# Allegro board 9823-layout.brd (continued)
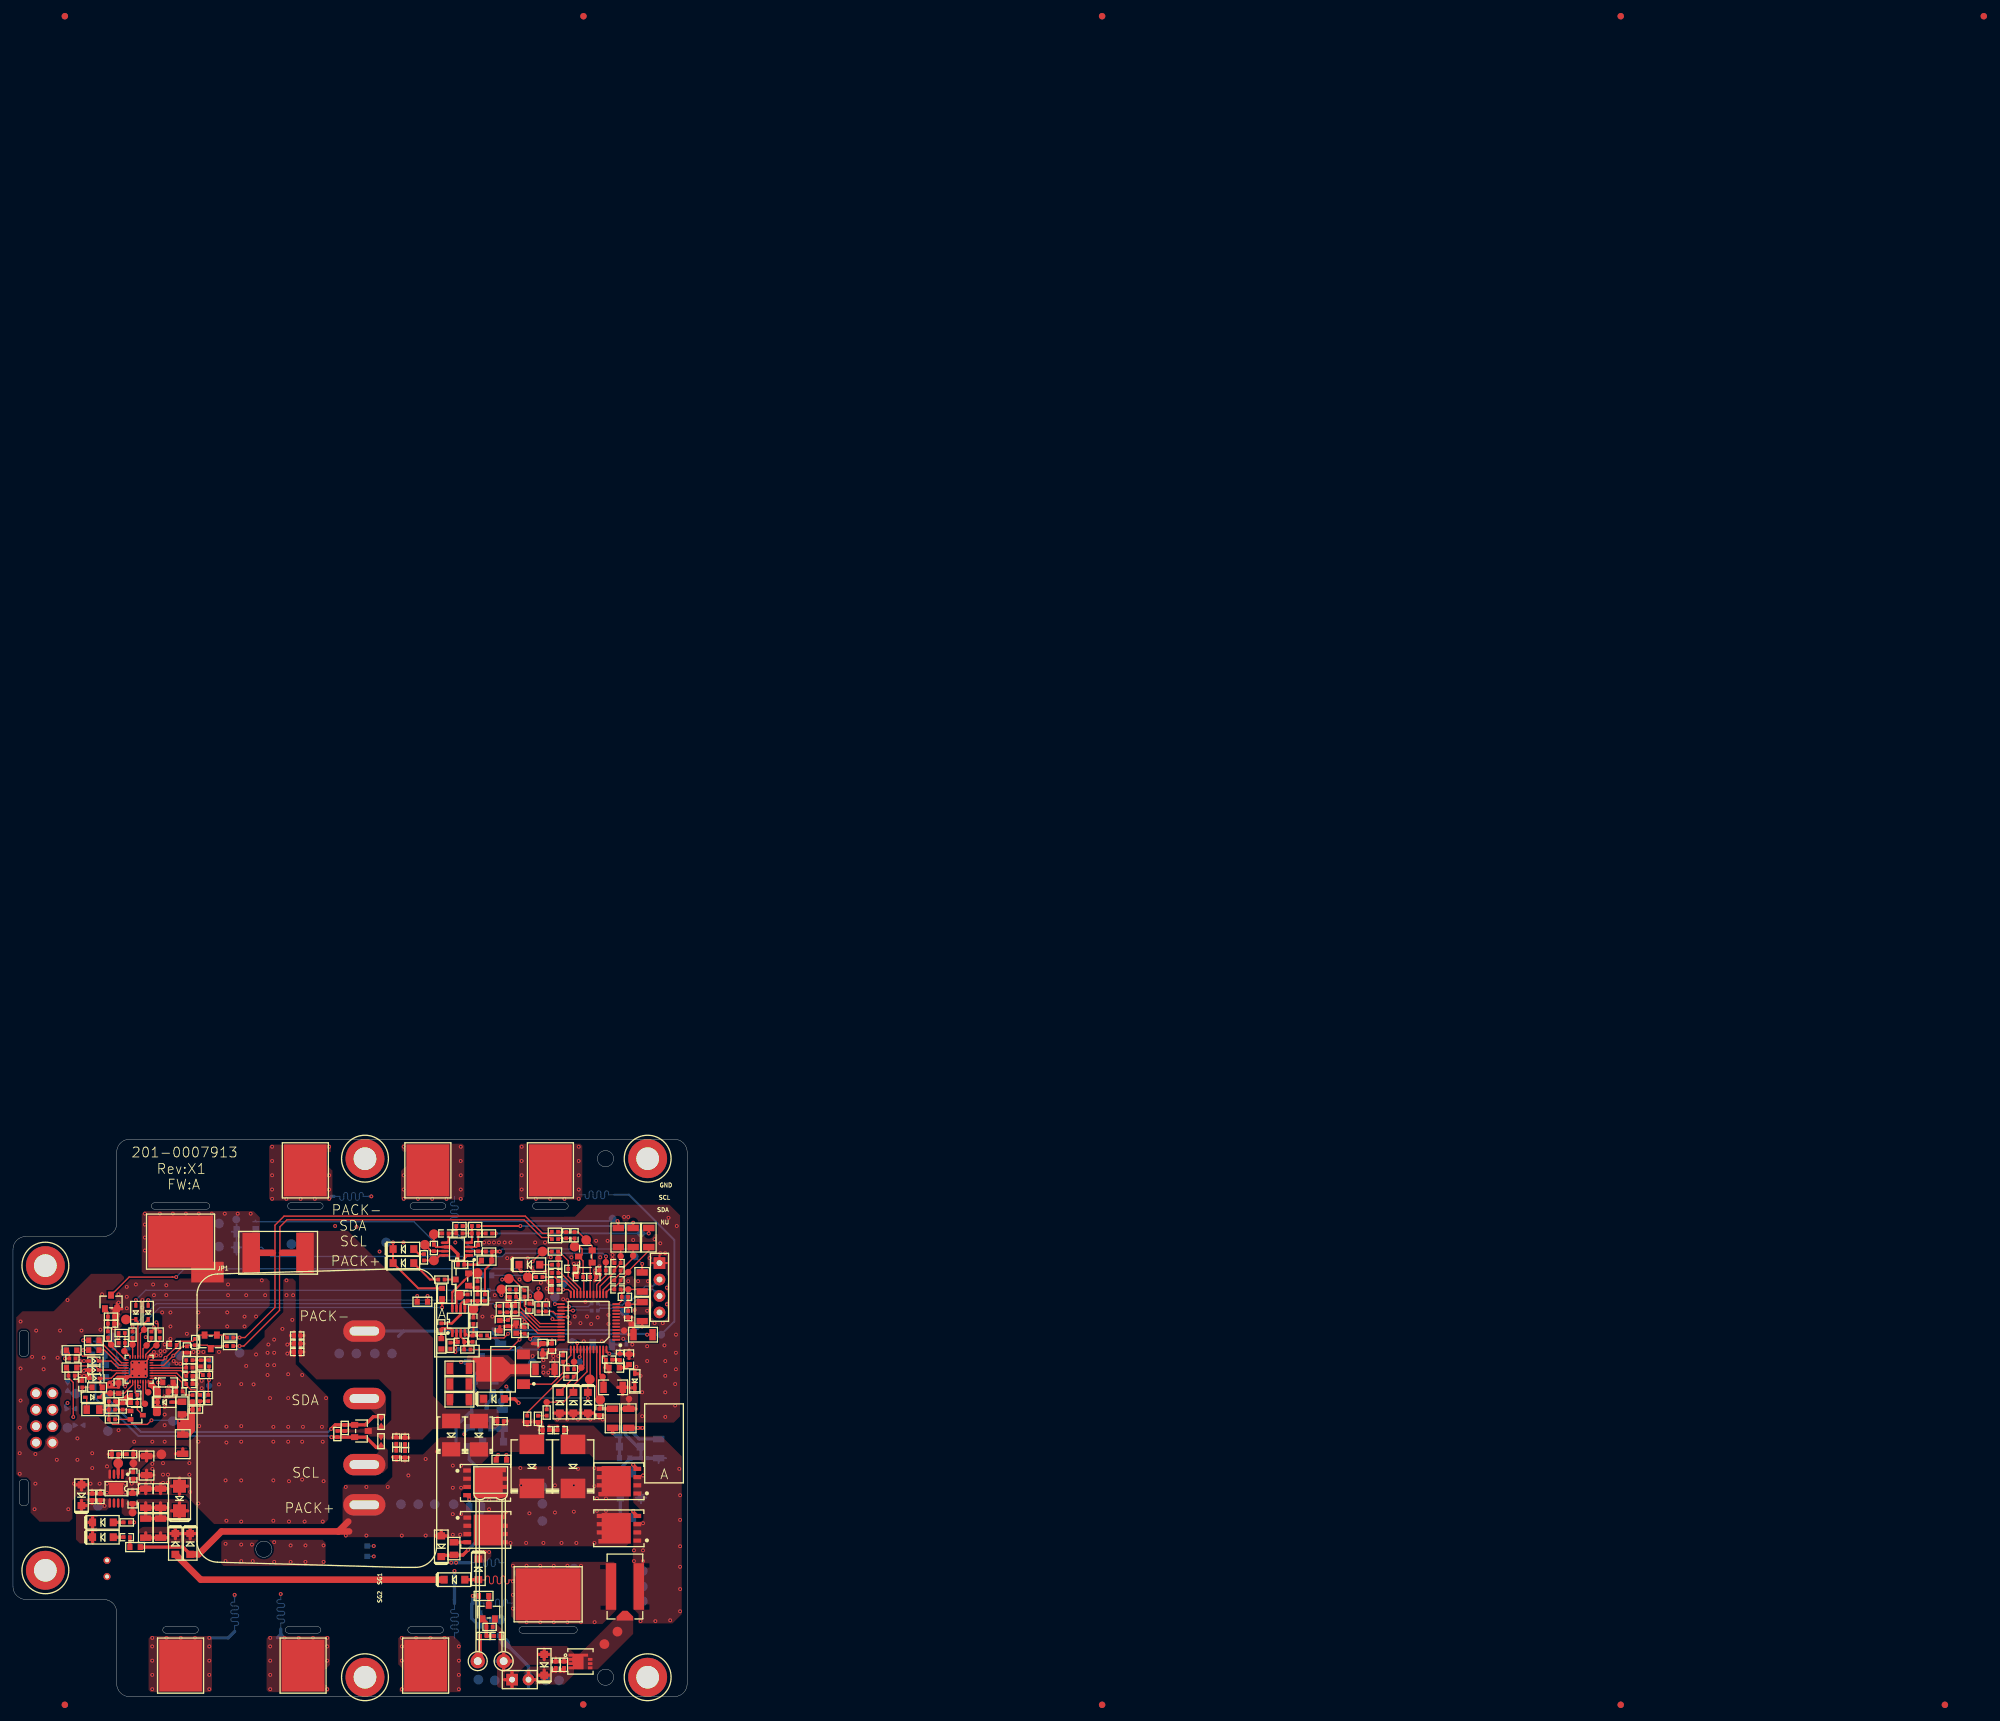
[diagram p0: board, top side]
## Routing (per net, layer and track width the routed paths; a pad name or vN(x,y) marks a point on that pad's centre or on a via; arc(x,y) is an arc through that point) (continued)
  TOP w0.2: U5.6 23.24,51.11 v1(24.73,52.61) 26.17,54.05 C110.1 27,54.22 C107.2 29.97,54.22 D47.K1 30.91,54.09 R131.2
  BOTTOM w0.5: v1(24.73,52.61) TP75.1
N47353: length 4.8
  TOP w0.2: U5.17 17.36,51.91 15.14,54.13 TP76.1 14.64,54.83 R127.1
N47615: length 4
  TOP w0.2: U5.10 20.46,52.78 21.87,54.2 TP79.1 22.13,54.32 22.64,54.83 R132.2
N47631: length 3.5
  TOP w0.2: U5.11 20.06,53.65 TP80.1 21.37,54.96 R133.2
N47647: length 6.3
  TOP w0.2: D51.K 20.22,57.56 TP81.1 19.66,56.05 U5.12
N47665: length 7.4
  TOP w0.2: TP82.1 D50.K 19.26,57.88 U5.13
N48111: length 3.7
  TOP w0.2: R127.2 14.64,56.36 C111.2 R134.2 14.64,59.39 Q19.G
N89184: length 4.5
  TOP w0.3: 70.91,55.72 70.91,55.72 C69.2 70.13,55.72 U2.4 ; 70.91,55.72 71.02,55.83 C71.1 ; 70.91,55.72 R78.2
N89210: length 4.1
  TOP w0.3: C68.2 R75.2 ; C68.2 C69.1 ; C68.2 69.6,54.98 69.06,55.52 U2.3
N93778: length 1.6
  TOP w0.3: Q14.C R77.2
N93782: length 4.9
  TOP w0.3: R77.1 64.32,64.36 61.83,66.85 D28.A
N118443: length 4.4
  TOP w0.2: R23.2 C19.1 v1(10.7,47.08)
  BOTTOM w0.3: v1(10.7,47.08) 10.37,46.75 TP69.1 9,46.75 8.67,47.08
N118464: length 8.1
  TOP w0.2: v1(9.3,43.15) 9.3,48.48 8.56,49.22 C16.1 8.56,50.45 R24.2
N118482: length 11.4
  TOP w0.2: R27.2 8.69,52.99 C12.1 v1(8.03,52.16)
  L3 w0.3: v1(8.03,52.16) 8.41,51.78 v1(8.41,45.31)
  BOTTOM w0.3: SG5.1 8.41,44.42 8.03,44.8 8.03,44.93 v1(8.41,45.31)
  BOTTOM w0.5: v1(8.03,52.16) TP67.1
N134812: length 1.9
  TOP w0.2: U1.39 v1(87.04,54.56)
  BOTTOM w0.5: TA10.1 86.77,54.83 v1(87.04,54.56)
N176195: length 10.6
  TOP w0.2: R12.2 77.59,61.7 C7.1 78.26,61.03 78.26,60.04 81.24,57.06 U1.32
N176203: length 28.4
  TOP w0.2: R12.1 75.36,62.82 TP1.1 v1(75.34,61.94) ; NTC5.2 76.14,37.27 v1(76.1,37.31)
  L3 w0.2: v1(75.34,61.94) 75.6,61.69 75.6,58.64 74.96,58.01 74.96,38.45 v1(76.1,37.31)
N216570: length 2.5
  TOP w0.2: R16.1 C8.2 17.92,44.29 Q3.B
N244351: length 8.2
  TOP w0.5: 71.69,5.49 72.06,5.86 R37.1
  BOTTOM w0.5: 71.69,5.49 71.96,5.75 R43.1
N244355: length 4.1
  TOP w0.5: C11.1 R37.2 R34.1 73.03,11.41 Q5.G
N246459: length 6
  TOP w0.5: R42.1 v1(70.92,15.54)
  BOTTOM w0.5: Q4.B 70.77,12.06 70.77,14.31 R39.2 70.91,15.53 v1(70.92,15.54)
N248347: length 1.4
  TOP w0.5: Q5.D R42.2
N255229: length 3.7
  BOTTOM w0.5: R30.1 73.97,11.89 Q4.C TP22.1
N328742: length 28.7
  TOP w0.2: R10.1 v1(16.29,55.44)
  L3 w0.2: J3.8 5.31,37.43 8.67,37.43 16.29,45.05 v1(16.29,55.44)
  BOTTOM w0.5: TP84.1 v1(16.29,55.44)
N450730: length 1.8
  TOP w0.2: U5.31 20.46,47.36 TP60.1
N450870: length 3.6
  TOP w0.2: TP61.1 20.06,45.47 U5.30
N451010: length 1.7
  TOP w0.2: U5.28 19.26,47.99 v1(19.46,47.79)
  BOTTOM w0.2: TP62.1 v1(19.46,47.79)
N2165240: length 2.4
  TOP w0.2: R14.1 Q3.E
N3050833: length 3
  TOP w0.2: U5.15 18.46,53.51 18.45,53.52 TP27.1 R128.1

## Copper pours and planes (outline as drawn; the poured copper is in the pictures)
15V on TOP (solid shape): 27.08,44.39 27.19,44.41 27.25,44.32 27.25,43.79 28.1,43.79 28.1,40.99 27.44,40.33 27.33,40.31 27.27,40.4 27.27,41.13 25.3,41.13 25.3,42.85 26.94,42.85 26.94,44.26
GND on TOP (solid shape): 22.27,52.91 22.27,52.68 21.87,52.27 21.12,52.27 21.1,52.26 20.99,52.22 20.9,52.16 20.85,52.14 20.81,52.19 20.82,52.21 20.82,52.64 21.1,52.92 22.26,52.92
GND on TOP (solid shape): 17.55,46.7 17.66,46.72 17.72,46.63 17.72,46.08 18.49,46.08 18.49,45.81 17.72,45.81 17.72,44.97 17.42,44.97 17.42,45.75 16.42,45.75 16.42,44.97 16.25,44.97 16.25,46.11 16.95,46.11 16.96,46.11
GND on TOP (solid shape): 15.46,48.94 15.57,48.96 15.64,48.86 15.64,47.79 16.27,47.79 16.37,47.73 16.34,47.62 16.28,47.55 14.57,47.55 14.47,47.66 14.47,48.46 14.77,48.76 15.29,48.76
GND on TOP (solid shape): 20.75,51.93 20.81,51.85 20.82,51.82 20.85,51.75 20.78,51.69 20.78,49.38 20.57,49.17 17.96,49.17 17.93,49.14 17.92,49.14 17.81,49.06 17.74,48.95 17.73,48.94 17.17,48.39 17.12,48.37 17.08,48.35 16.98,48.36 16.94,48.45 16.94,48.99 15.77,48.99 15.67,49.06 15.69,49.17 16.08,49.55 16.22,49.55 16.22,49.55 17.82,49.55 17.82,49.56 17.85,49.57 18.04,49.7 18.12,49.92 18.12,49.94 18.12,49.95 18.12,50.9 18.12,50.9 18.12,51.67 18.32,51.88 18.36,51.87 18.46,51.86 18.56,51.87 18.57,51.88 18.76,51.88 18.76,51.87 18.86,51.86 18.96,51.87 18.97,51.88 19.16,51.88 19.16,51.87 19.26,51.86 19.36,51.87 19.37,51.88 19.56,51.88 19.56,51.87 19.66,51.86 19.76,51.87 19.77,51.88 19.96,51.88 19.96,51.87 20.06,51.86 20.16,51.87 20.17,51.88 20.36,51.88 20.36,51.87 20.52,51.86 20.66,51.92
GND on TOP: 31.03,26.64 27.96,29.7 27.96,29.73 26.59,31.1 10.02,31.1 10,31.11 9.17,30.28 9.17,27.46 8.71,27 4.1,27 2.72,28.39 2.72,30.95 2.71,30.95 2.71,33.28 2.16,33.83 1.02,33.83 0.5,34.35 0.5,58.5 1.46,59.46 6.27,59.46 12.04,65.23 16.65,65.23 17.13,64.75 17.13,64.29 17.8,64.29 17.8,64.58 18.38,64.58 18.38,64.79 18.65,64.52 39.17,64.52 39.61,64.08 39.61,60.32 35.97,56.69 28.92,56.69 27.99,55.76 27.59,55.76 27.58,55.77 27.16,55.35 25.22,55.35 24.68,54.82 24.68,54 22.93,52.25 21.18,52.25 21.03,52.4 21.03,52.86 23.04,54.87 23.04,58.72 22.6,59.16 17.99,59.16 17.96,59.14 16.83,59.14 16.83,59.09 16.79,59.05 16.79,57.15 16.07,56.42 16.07,55.45 16.71,54.81 16.71,53.9 16.67,53.86 15.97,53.86 15.23,54.6 15.23,57.49 13.74,55.99 11.17,55.99 10.99,55.81 10.99,54.77 10.64,54.43 8.45,54.43 7.87,53.85 7.87,52.39 7.6,52.39 7.6,51.29 7.87,51.29 7.87,50.48 7.6,50.48 7.6,49.81 7.87,49.81 7.87,48.94 8.38,48.43 8.64,48.43 9.24,49.04 9.24,49.82 10.28,49.82 10.53,50.08 10.53,50.57 10.6,50.64 12.16,50.64 12.33,50.46 12.33,48.57 12.22,48.46 10.32,48.46 10.17,48.31 10.17,43.65 10.67,43.16 13.21,43.16 14.86,41.51 21.59,41.51 23.11,43.02 23.11,47.36 23.85,48.11 23.85,48.84 24.07,49.05 25.05,49.05 25.52,48.58 25.52,46.65 25.01,46.14 25.01,39.63 27.39,39.63 27.39,39.67 27.62,39.67 28.4,40.45 28.4,46.76 27.35,47.81 27.35,49.79 27.36,49.81 27.36,49.94 27.3,49.99 29.7,49.99 29.7,49.89 30.79,49.89 30.79,50.6 29.7,50.6 29.7,50.51 27.24,50.51 27.24,50.06 26.52,50.77 26.52,50.8 24.09,50.8 23.89,51.01 23.89,51.42 26.02,53.55 36.9,53.55 38.8,55.45 38.8,56.44 41.69,59.32 41.69,64.26 41.94,64.5 43.17,64.5 43.61,64.06 43.61,51.3 48.64,46.27 48.64,27.33 47.95,26.64 ; 4 cut-outs
GND on TOP: 83.72,42.29 83.44,42.57 83.44,44.16 83.74,44.47 89.27,44.47 90.03,43.7 90.06,43.7 90.15,43.61 96.34,43.61 96.74,44 96.74,48.89 96.11,49.52 95.77,49.52 95.77,49.52 95.77,51.9 95.72,51.96 94.72,51.96 94.11,52.57 93.17,52.57 92.03,53.72 92.03,54.03 91.57,54.48 86.11,54.48 85.67,54.04 85.67,52.83 85.16,52.33 84.3,52.33 84.27,52.29 84.27,49.88 84.38,49.76 83.94,49.32 81.97,49.32 81.47,49.82 81.47,52.27 81.26,52.47 81.26,53.29 81.75,53.78 83.57,53.78 83.8,54 83.8,54.01 84.33,54.54 85.07,54.54 85.47,54.95 85.47,59.89 85.33,60.04 80.89,60.04 80.89,60.26 79.62,60.26 79.42,60.46 79.42,61.99 79.3,62.11 77.22,62.11 77.22,62.37 77.22,62.37 76.74,62.37 76.74,62.31 77.05,62.01 77.05,61.43 77.79,60.69 77.79,60 75.57,60 75.17,60.41 75.16,60.41 75.16,59.96 74.83,59.96 74.83,59.94 74.38,59.94 74.38,58.33 75.06,58.33 75.06,59.49 76.59,59.49 76.59,58.57 76.24,58.57 76.24,58.12 74.37,58.12 74.4,58.09 74.4,57.37 76.73,57.37 76.93,57.58 76.93,57.89 77.12,58.08 78.36,58.08 79.22,57.22 79.22,56.73 76.92,56.73 76.48,56.28 74.18,56.28 73.92,56.54 72.05,56.54 71.58,57.01 71.58,59.52 72.82,60.76 72.82,65.01 73.8,65.98 73.8,68.68 74.49,68.68 74.49,69.47 72.55,69.47 72.4,69.63 72.4,70.2 72.87,70.67 72.94,70.67 72.95,70.68 73.94,70.68 73.94,71.63 75.12,71.63 75.12,72.57 75.69,73.14 77.66,73.14 77.66,72.62 78.29,72.62 78.29,73.85 78.47,74.03 85.09,74.03 85.12,74.06 86.68,74.06 88.53,75.9 101.27,75.9 102.9,74.27 102.9,43.25 101.94,42.29 96.62,42.29 ; 18 cut-outs
GND on TOP: 74.93,1.38 74.66,1.65 74.66,5.97 74.86,6.17 74.86,9.83 73.87,10.82 73.87,12.53 74.5,12.53 74.5,11.32 75.94,9.89 75.94,8.8 76.93,7.81 85.45,7.81 86.54,6.73 86.54,4.9 79.16,4.9 77.98,3.72 77.98,1.74 77.62,1.38
GND on TOP: 9.43,51.48 9.33,51.58 9.33,52.63 9.41,52.7 10.06,52.7 10.69,52.07 12.04,52.07 12.13,51.99 12.13,51.61 12.01,51.48 ; 1 cut-out
GND on TOP: 32.47,20.16 32.12,20.5 32.12,23.88 32.44,24.2 47.76,24.2 48.23,23.73 48.23,20.8 47.59,20.16
GND on BOTTOM: 71.41,1.09 70.84,1.66 70.84,2.82 71.41,3.4 72.59,3.4 73.75,4.55 73.75,6.2 74.66,7.11 76.14,7.11 78.12,5.13 78.12,1.47 77.74,1.09
GND on BOTTOM: 22.95,20.23 20.65,22.54 20.56,22.45 8.69,22.45 2.71,28.44 2.71,29.3 2.69,29.3 2.69,32.24 2.65,32.24 2.65,33.54 2.17,34.02 0.97,34.02 0.76,34.23 0.76,58.85 1.4,59.49 6.28,59.49 14.5,67.72 40.48,67.72 40.54,67.79 40.54,68.2 38.16,70.58 37.25,70.58 36.94,70.89 36.94,72.56 37.22,72.84 59,72.84 59.02,72.82 63.35,72.82 65.18,70.99 73.91,70.99 74.21,71.3 74.24,71.28 92.51,71.28 93.62,72.39 93.62,74.71 94.09,75.18 100.46,75.18 103,72.64 103,43.67 101.46,42.13 77.34,42.13 76.73,42.73 76.73,46.12 75.88,46.98 75.88,48.15 76.74,49.01 76.74,51.93 78.18,53.37 86.41,53.37 87.4,54.35 87.4,55.56 86.17,56.79 77.66,56.79 77.21,57.24 72.67,57.24 71.79,58.13 71.79,58.14 71.58,58.34 50.52,58.34 48.43,56.25 48.43,41.72 47.88,41.17 19.25,41.17 15.73,44.7 15.73,44.95 15.14,44.36 15.14,43.34 18.29,40.19 47.7,40.19 48.45,39.44 48.45,23.42 48.44,23.41 48.44,20.58 48.09,20.23 ; 21 cut-outs
GND on L2: 73.66,0.99 73.36,1.29 73.36,7.03 67.36,13.03 64.49,13.03 60.82,16.71 20.44,16.71 10.18,26.97 3.17,26.97 2.67,27.47 2.67,33.33 2.17,33.83 1.01,33.83 0.5,34.33 0.5,58.45 1.63,59.58 6.45,59.58 6.45,59.62 12.3,65.47 37.37,65.47 38.74,66.84 38.74,72.23 39.36,72.86 68.37,72.86 69.21,73.7 76.93,73.7 78.13,72.5 90.14,72.5 91.96,74.31 101.36,74.31 103.5,72.18 103.5,44.26 101.63,42.39 63.97,42.39 59.85,38.26 50.17,38.26 49.26,37.35 49.26,23.67 50.98,21.95 62.94,21.95 62.97,21.92 64.06,21.92 76.04,9.94 76.04,9.05 78.14,6.95 78.14,0.99 ; 10 cut-outs
GND on L3: 17.27,20.29 10.56,27 3.17,27 2.6,27.56 2.6,33.47 2.24,33.83 0.98,33.83 0.5,34.31 0.5,58.81 1.36,59.67 6.49,59.67 12.32,65.5 37.87,65.5 38.84,66.47 38.84,72.36 40.79,74.31 52.23,74.31 53.3,73.25 53.3,70.1 42.9,59.7 42.9,59.22 44.17,57.95 44.96,57.95 58.36,71.35 58.36,71.87 74.98,71.87 74.98,73.37 76,73.37 76.94,74.31 101.36,74.31 103.5,72.18 103.5,43.73 101.9,42.13 63.47,42.13 59.59,38.26 50.17,38.26 49.26,37.35 49.26,21.52 48.03,20.29 ; 9 cut-outs
(no net) on TOP: 14.57,47.55 14.47,47.66 14.47,48.46 15.57,49.55 16.22,49.55 16.22,49.55 17.82,49.55 17.82,49.62 18.12,49.92 18.12,50.9 18.12,50.9 18.12,51.67 18.32,51.88 20.35,51.88 20.62,52.15 20.62,52.45 21.08,52.92 22.26,52.92 22.27,52.91 22.27,52.68 21.87,52.27 21.12,52.27 20.94,52.1 20.94,51.85 20.78,51.69 20.78,49.38 20.57,49.17 17.96,49.17 16.79,48 16.72,48 16.28,47.55
(no net) on TOP: 25.3,39.97 25.3,43.96 25.41,44.07 26.75,44.07 27.22,44.53 27.22,45.65 27.4,45.84 27.97,45.84 28.1,45.72 28.1,40.99 27.08,39.97
(no net) on TOP: 15.51,44.97 15.47,45.01 15.47,45.86 15.72,46.11 16.95,46.11 16.96,46.11 17.75,46.9 18.49,46.9 18.49,45.04 18.43,44.97
(no net) on TOP: 21.37,48.86 22.81,47.41 22.81,43.5 22.59,43.28 21.79,43.28 21.59,43.48 21.59,47.07 20.81,47.84 20.81,48.86
AFEFUSE on TOP: 78.76,1.87 78.76,3.67 79.79,4.71 86.51,4.71 86.54,4.68 86.54,3.4 85,1.87
AFEFUSE on BOTTOM: 78.91,1.13 84.93,1.13 85.36,1.56 85.36,3.42 84.93,3.85 78.89,3.85 78.55,3.51 78.55,1.48
CD+ on TOP: 71.32,35.35 71.32,23.45 71.56,23.21 94.57,23.21 95,23.64 95,35.53 71.5,35.53
CD+ on BOTTOM: 73.16,24.09 73.16,33.74 75.33,35.91 91.75,35.91 92.59,35.07 92.59,25.73 90.07,23.21 74.04,23.21
CD+ on L2: 71.56,23.21 71.32,23.45 71.32,35.35 71.5,35.53 71.51,35.53 71.95,35.96 73.86,35.96 74.3,35.53 93.91,35.53 94.63,34.81 94.63,23.97 93.87,23.21
CELL7+ on TOP: 65.6,53.2 65.6,54.06 68.47,54.06 68.54,53.99 68.54,53.06 68.45,52.97 65.83,52.97
CELL7+ on L3: 67.34,21.24 67.34,20.5 67.53,20.3 68.48,20.3 68.68,20.51 68.68,20.98 68.42,21.24
CELL7+ on L3: 67.94,54.2 68.53,54.2 68.6,54.13 68.6,53.17 68.2,52.77 67.97,52.77 67.86,52.88 67.86,54.12
CELL+7_PAD on TOP: 76.87,12.37 76.87,20.63 77.04,20.8 92.68,20.8 92.99,20.49 92.99,13.29 90.91,11.2 78.04,11.2 ; 2 cut-outs
CELL+7_PAD on BOTTOM: 76.86,11.37 76.86,15.1 75.41,16.55 75.41,20.96 75.55,21.09 75.75,21.09 75.75,21.09 76.55,21.09 76.55,21.09 90.79,21.09 92.12,19.76 92.12,12.03 91.31,11.22 77.02,11.22
CELL+7_PAD on L2: 76.86,12.87 76.86,15.1 76.86,15.1 76.86,20.53 77.13,20.81 88.86,20.81 92.12,17.55 92.12,11.34 91.85,11.07 78.66,11.07
CELL+7_PAD on L3: 77.04,11.07 76.86,11.25 76.86,11.31 76.39,11.78 76.39,20.44 76.75,20.81 88.48,20.81 92.12,17.17 92.12,11.34 91.85,11.07
PACK+ on TOP: 51.34,24.61 50.85,25.09 50.85,32.24 51.34,32.73 57.36,32.73 58.51,33.88 58.51,37.14 58.74,37.37 63.23,37.37 65.89,40.03 74,40.03 75.34,41.37 75.34,42.67 75.55,42.88 81.17,42.88 81.86,42.19 81.86,37.75 74.07,37.75 72.31,35.98 71.05,35.98 70.65,35.58 70.65,33.39 70.64,33.39 70.64,32.04 69.56,32.04 69.1,31.58 69.1,30.42 70.64,28.87 70.64,24.73 70.52,24.61
PACK+ on BOTTOM: 51.34,24.61 50.86,25.08 50.86,32.25 51.34,32.73 59.21,32.73 61.87,35.4 65.15,38.67 68.48,38.67 69.37,37.79 69.37,24.99 68.99,24.61
PACK+ on L2: 51.34,24.61 50.32,25.62 50.32,31.72 51.34,32.73 59.21,32.73 61.87,35.4 64.23,37.76 68.83,37.76 69.37,37.22 69.37,24.99 68.99,24.61
REGIN on TOP: 77.75,52.12 77.75,53.34 79.58,55.17 84.66,55.17 84.68,55.15 84.68,54.93 84.18,54.93 83.32,54.07 81.52,54.07 80.96,53.51 80.96,52.88 80.19,52.12
RS1_PIN1 on TOP: 20.19,65.22 19.85,65.56 19.85,74.48 20.27,74.9 37.11,74.9 38.07,73.94 38.07,65.45 37.85,65.22
RS1_PIN1 on BOTTOM: 20.49,67.96 19.87,68.58 19.87,74.49 20.28,74.91 37.12,74.91 37.45,74.58 37.45,73.33 37.32,73.2 35.85,73.2 35.54,72.89 35.54,68.21 35.29,67.96
RS1_PIN1 on L2: 19.87,74.49 20.28,74.91 37.12,74.91 37.73,74.29 37.73,74.28 38.05,73.96 38.05,66.73 36.94,65.61 20.39,65.61 19.87,66.14
RS1_PIN1 on L3: 19.87,74.49 20.28,74.91 37.12,74.91 37.45,74.58 37.45,66.95 36.93,66.44 20.49,66.44 19.87,67.06
RS1_PIN2 on TOP: 57.65,39.66 57.19,40.12 55.14,40.12 54.54,40.72 52.33,40.72 52.32,40.72 49.61,40.72 49.61,41.22 49.73,41.34 54.48,41.34 54.76,41.62 57.29,41.62 58.36,42.69 58.36,47.03 56.44,48.95 46.81,48.95 44.13,51.63 44.13,71.85 51.68,71.85 59.89,63.64 59.89,60.25 64.81,55.33 64.81,46.4 66.85,44.36 74.61,44.36 74.93,44.04 74.93,41.78 74.43,41.28 64.77,41.28 63.15,39.66
RS1_PIN2 on BOTTOM: 58.4,57.97 50.76,57.97 49.26,56.46 49.26,52.51 50.19,51.58 58.85,51.58 59.77,52.49 59.77,56.6
SCL_BQ769142 on L3 (solid shape): 99.74,64.37 99.84,63.46 98.81,63.33 98.73,63.36 98.7,63.44 98.83,64.47
SMBC on TOP: 52.39,34.53 51.85,35.08 51.85,37.24 52.06,37.45 56.04,37.45 56.37,37.78 56.37,38.69 56.73,39.04 56.86,39.04 57.82,38.08 57.82,35.26 57.09,34.53
SMBD on TOP: 56.73,42.76 55.02,44.46 52.65,44.46 51.69,45.42 51.69,46.7 52.29,47.31 56.66,47.31 57.55,46.43 57.55,43.42 56.88,42.76
N26274 on TOP: 70.01,45.01 69.79,45.23 69.79,49.47 70.99,49.47 70.99,47.42 71.72,46.7 73.03,46.7 73.16,46.57 73.16,45.18 72.99,45.01
N26518 on TOP: 71.18,20.77 71.18,22.47 71.41,22.69 73.51,22.69 73.78,22.43 73.78,21.61 72.82,20.65 71.3,20.65
N26518 on L3: 71.34,21.98 73.52,21.98 73.81,22.26 73.81,22.65 73.62,22.84 71.49,22.84 71.34,22.68
N26518 on L3: 96.03,41.87 97.56,41.87 97.71,41.72 97.71,41.06 97.56,40.91 96.02,40.91 95.92,41.01 95.92,41.75
N26522 on TOP: 93.68,44.19 93.68,46.99 90.76,49.91 90.76,52.03 90.97,52.24 91.51,52.24 92.44,51.31 92.44,50.48 92.94,49.99 92.94,49.99 94.19,48.73 95.86,48.73 96.41,48.18 96.41,44.16 96.17,43.92 93.95,43.92
N26570 on TOP: 66.99,45.34 66.79,45.54 66.79,51.85 66.83,51.89 68.02,51.89 68.03,51.89 68.03,45.34
N26742 on TOP (solid shape): 76.75,51.26 79.75,51.26 79.75,49.76 76.75,49.76 75.6,48.61 71.45,48.61 71.45,52.41 75.6,52.41
N26742 on TOP: 71.92,47.4 71.46,47.87 71.46,49.53 70.86,50.13 70.12,50.13 69.98,50.27 69.98,52.46 70.22,52.69 76.36,52.69 77.61,51.43 81.05,51.43 81.05,49.68 80.78,49.4 76.85,49.4 74.85,47.4
N27560 on TOP: 92.45,54.99 92.45,55.21 93.56,55.21 93.56,55.42 92.45,55.42 92.45,55.71 93.56,55.71 93.56,55.91 92.45,55.91 92.45,56.22 93.56,56.22 93.56,56.41 92.45,56.41 92.45,56.71 93.56,56.71 93.56,56.92 92.45,56.92 92.45,57.22 93.56,57.22 93.56,57.41 92.45,57.41 92.45,57.72 93.56,57.72 93.56,57.92 92.45,57.92 92.45,58.23 93.57,58.23 93.57,58.41 92.45,58.41 92.45,58.72 93.57,58.72 93.57,58.91 92.45,58.91 92.45,59.21 93.57,59.21 93.57,59.41 92.45,59.41 92.45,59.59 92.51,59.66 93.61,59.66 94.37,58.89 95.46,58.89 95.91,58.44 95.91,54.99
N29258 on TOP: 78.05,76.96 78.05,85.01 78.35,85.31 87.49,85.31 87.83,84.98 87.83,77.16 87.34,76.68 78.33,76.68
N29258 on BOTTOM: 78.07,76.83 78.07,84.88 78.38,85.19 87.51,85.19 87.85,84.85 87.85,77.03 87.36,76.55 78.36,76.55
N29258 on L2: 78.05,76.76 78.05,85.01 78.35,85.31 87.49,85.31 87.83,84.98 87.83,76.88 87.45,76.5 78.31,76.5
N29258 on L3: 77.92,76.94 77.92,84.88 78.23,85.19 87.36,85.19 87.7,84.85 87.7,77.03 87.22,76.55 78.31,76.55
N29414 on TOP: 59.76,0.69 59.64,0.81 59.64,1.22 60.38,1.96 60.38,4.04 59.42,4.99 59.42,8.98 59.81,9.37 67.97,9.37 69.04,8.3 69.04,0.83 68.9,0.69
N29414 on BOTTOM: 69.2,9.14 69.2,0.99 68.9,0.69 59.76,0.69 59.42,1.02 59.42,8.98 59.81,9.37 68.97,9.37
N29414 on L2: 59.76,0.69 59.42,1.02 59.42,8.98 59.81,9.37 67.56,9.37 69.04,7.89 69.04,0.83 68.9,0.69
N29414 on L3: 69.2,8.09 69.2,0.99 68.9,0.69 59.76,0.69 59.42,1.02 59.42,8.98 59.81,9.37 67.92,9.37
N29624 on TOP: 60.13,76.68 59.85,76.96 59.85,81.12 60.72,81.99 60.73,81.99 60.73,84.06 60.24,84.06 59.97,84.33 59.97,85.13 60.15,85.31 69.29,85.31 69.62,84.98 69.62,77.16 69.14,76.68
N29624 on BOTTOM: 59.85,76.83 59.85,84.88 60.15,85.19 69.29,85.19 69.62,84.85 69.62,77.23 68.94,76.55 60.13,76.55
N29624 on L2: 59.85,76.68 59.85,85.01 60.15,85.31 69.29,85.31 69.62,84.98 69.62,76.84 69.28,76.49 60.04,76.49
N29624 on L3: 59.85,76.83 59.85,84.88 60.15,85.19 69.29,85.19 69.62,84.85 69.62,77.03 69.14,76.55 60.13,76.55
N29862 on TOP: 39.46,0.69 39.12,1.02 39.12,8.98 39.51,9.37 48.67,9.37 48.9,9.14 48.9,4.92 48.02,4.04 48.02,1.98 48.07,1.98 48.71,1.34 48.71,0.8 48.6,0.69
N29862 on BOTTOM: 39.46,0.69 39.12,1.02 39.12,8.98 39.51,9.37 48.67,9.37 48.9,9.14 48.9,0.99 48.6,0.69
N29862 on L2, L3: 48.9,9.14 48.9,0.99 48.6,0.69 39.46,0.69 39.12,1.02 39.12,8.98 39.51,9.37 48.67,9.37
N30134 on TOP: 39.79,76.53 39.51,76.81 39.51,84.87 39.81,85.17 48.95,85.17 49.05,85.07 49.05,84.05 49.01,84.02 48.42,84.02 48.42,82.01 49.29,81.14 49.29,77.02 48.8,76.53
N30134 on BOTTOM, L2, L3: 39.51,76.81 39.51,84.87 39.81,85.17 48.95,85.17 49.29,84.83 49.29,77.02 48.8,76.53 39.79,76.53
N30324 on TOP, L2, L3: 30.7,9.14 30.7,0.99 30.4,0.69 21.26,0.69 20.93,1.02 20.93,8.98 21.31,9.37 30.47,9.37
N30324 on BOTTOM: 21.26,0.69 20.93,1.02 20.93,8.98 21.31,9.37 30.34,9.37 30.7,9.01 30.7,0.99 30.4,0.69
N40957 on TOP: 95.61,13.61 95.61,22.85 95.69,22.92 95.69,26.98 95.73,27.02 96.95,27.02 97.25,27.32 97.25,28.4 95.69,29.95 95.69,34.2 96.82,34.2 97.21,34.59 97.21,36.03 96.78,36.46 89.88,36.46 88.92,37.42 84.52,37.42 84.52,40.36 84.64,40.48 84.64,41.71 84.76,41.82 89.54,41.82 91.21,40.15 100.08,40.15 103.16,37.07 103.16,33.79 103.16,33.78 103.16,12.73 101.73,11.29 96.49,11.29 96.49,11.3 96.49,12.73 ; 2 cut-outs
N40957 on BOTTOM: 95.38,25.6 96.48,26.7 96.48,29.09 95.75,29.82 95.75,32.67 96.48,33.4 96.48,35 97.57,36.08 97.57,37.01 97.89,37.34 100.96,37.34 103.16,35.14 103.16,33.79 103.16,33.78 103.16,12.33 102.03,11.2 95.87,11.2 95.38,11.69
N40957 on L2: 95.38,27.68 95.84,28.15 95.84,34.36 96.92,35.43 102.87,35.43 103.16,35.14 103.16,33.79 103.16,33.78 103.16,12.27 102.33,11.44 95.99,11.44 95.38,12.06
N40957 on L3: 95.4,25.62 95.73,25.95 95.73,34.25 97.14,35.65 102.65,35.65 103.16,35.14 103.16,33.79 103.16,33.78 103.16,12.14 102.33,11.3 96.07,11.3 95.4,11.97
N40965 on TOP: 82.41,40.81 82.41,41.88 82.58,42.05 84.11,42.05 84.31,41.84 84.31,40.81
N42407 on TOP: 87.02,4.21 87.02,6.24 93.93,13.14 94.52,13.14 95.66,12 95.66,9.68 90.19,4.21
N45509 on TOP: 19.32,24.75 19.61,24.04 20.32,23.75 27.48,23.75 28.19,24.04 28.48,24.75 28.48,25.21 28.19,25.92 27.48,26.21 20.32,26.21 19.61,25.92 19.32,25.21
N45529 on TOP: 19.63,27 19.58,27.05 19.58,29.07 19.46,29.19 19.13,29.19 19.04,29.1 19.04,28.2 18.74,27.9 17.16,27.9 16.78,28.28 16.78,30.47 26.74,30.47 27.18,30.04 27.18,27.35 26.83,27
N45573 on TOP: 16.74,33.87 16.74,35.05 17.7,35.05 18.23,35.58 18.23,38.09 18.58,38.45 26.77,38.45 27.06,38.16 27.06,36.98 26.76,36.69 21.21,36.69 18.87,34.34 17.54,34.34 17.07,33.87
N45625 on TOP (solid shape): 20.93,48.85 21.04,48.78 21.16,48.76 21.47,48.76 21.84,48.39 21.84,48.38 21.99,48.09 22.28,47.94 22.29,47.93 22.81,47.41 22.81,45.88 21.75,45.88 21.75,44.98 22.81,44.98 22.81,43.5 22.59,43.28 21.79,43.28 21.59,43.48 21.59,46.75 21.59,46.76 21.49,47.37 20.96,47.7 20.95,47.71 20.82,47.84 20.82,48.86 20.91,48.86
N46435 on TOP: 15.03,30.58 10.42,30.58 9.72,29.88 9.72,24.24 10.33,23.64 12.62,23.64 13.02,24.05 13.02,27.81 12.79,28.04 11.54,28.04 11.4,28.18 11.4,28.64 11.49,28.72 14.39,28.72 15.03,29.37
N118443 on BOTTOM: 6.96,47.69 7.49,47.16 8.07,47.16 8.38,47.48 8.5,47.48 8.8,47.18 8.8,46.78 7.73,45.7 5.74,45.7 5.27,46.17 5.27,47.4 5.56,47.69
N118464 on BOTTOM: 5.05,42.26 5.45,42.66 6.67,42.66 7.07,42.26 8.38,42.26 8.93,42.82 8.93,43.23 9.14,43.43 9.49,43.43 9.62,43.3 9.62,43.04 9.43,42.85 9.43,42.26 9.81,41.88 9.81,41.86 9.48,41.52 9.48,41.2 9.03,40.75 5.36,40.75 5.05,41.05
N118482 on BOTTOM: 7.52,43.32 8.56,44.36 8.56,44.49 8.26,44.79 5.37,44.79 5.15,44.56 5.15,43.59 5.42,43.32
N244351 on TOP (solid shape): 71.88,7.28 72.13,7.35 72.31,7.17 72.55,6.13 71.68,5.42 70.89,6.24
N244351 on BOTTOM (solid shape): 71.76,7.32 72,7.41 72.19,7.25 72.59,6.1 71.68,5.42 70.84,6.18
N328742 on L3 (solid shape): 4.73,38.13 4.7,38.04 4.61,38.01 3.34,38.31 3.53,39.21 4.42,39.4
AFEFUSE on BOTTOM (solid shape): 74.9,8.99 74.97,9.23 75.21,9.3 76.04,9.07 75.89,8.31 75.12,8.16
AFEFUSE on BOTTOM (solid shape): 76.8,7.71 76.73,7.47 76.49,7.4 75.66,7.63 75.81,8.39 76.57,8.54
AFEFUSE on BOTTOM (solid shape): 79.3,4.06 79.52,4.18 79.74,4.06 80.3,3.08 79.52,2.57 78.74,3.08
AFEFUSE on BOTTOM (solid shape): 75.68,8.81 75.58,8.56 75.32,8.54 74.65,9.19 74.9,9.54 75.23,9.79
AFEFUSE on L3 (solid shape): 79.39,4.21 79.52,4.28 79.65,4.21 80.3,3.08 79.52,2.6 78.74,3.08

Small or netless copper shapes (teardrops, artwork), in the pictures only: 9 on TOP, 9 on BOTTOM, 4 on L3

## Text on the board
Ref Des/Silkscreen Bottom: NU1 | NU2 | NU3 | Button | RL2 | RL0 | RL1 | GND | FW:A | Rev:X1 | 201-0007913
Ref Des/Silkscreen Top: SDA | SCL | GND | NU | 201-0007913 | Rev:X1 | FW:A | PACK+ | PACK- | A
DIMENSION: Tolerance:+/-0.1MM | V-CUT
User.12: FIGURE | SIZE | 0.3 | 0.6 | 0.8999 | 1.2 | 3.5 | 4.5x1.3 | DRILL CHART: TOP to BOTTOM | ALL UNITS ARE IN MILLIMETERS | PLATED | QTY | 558 | 2 | 6 | 10 | 4
